# Altium PCB board.PcbDoc (part 1 of 4) (continued)
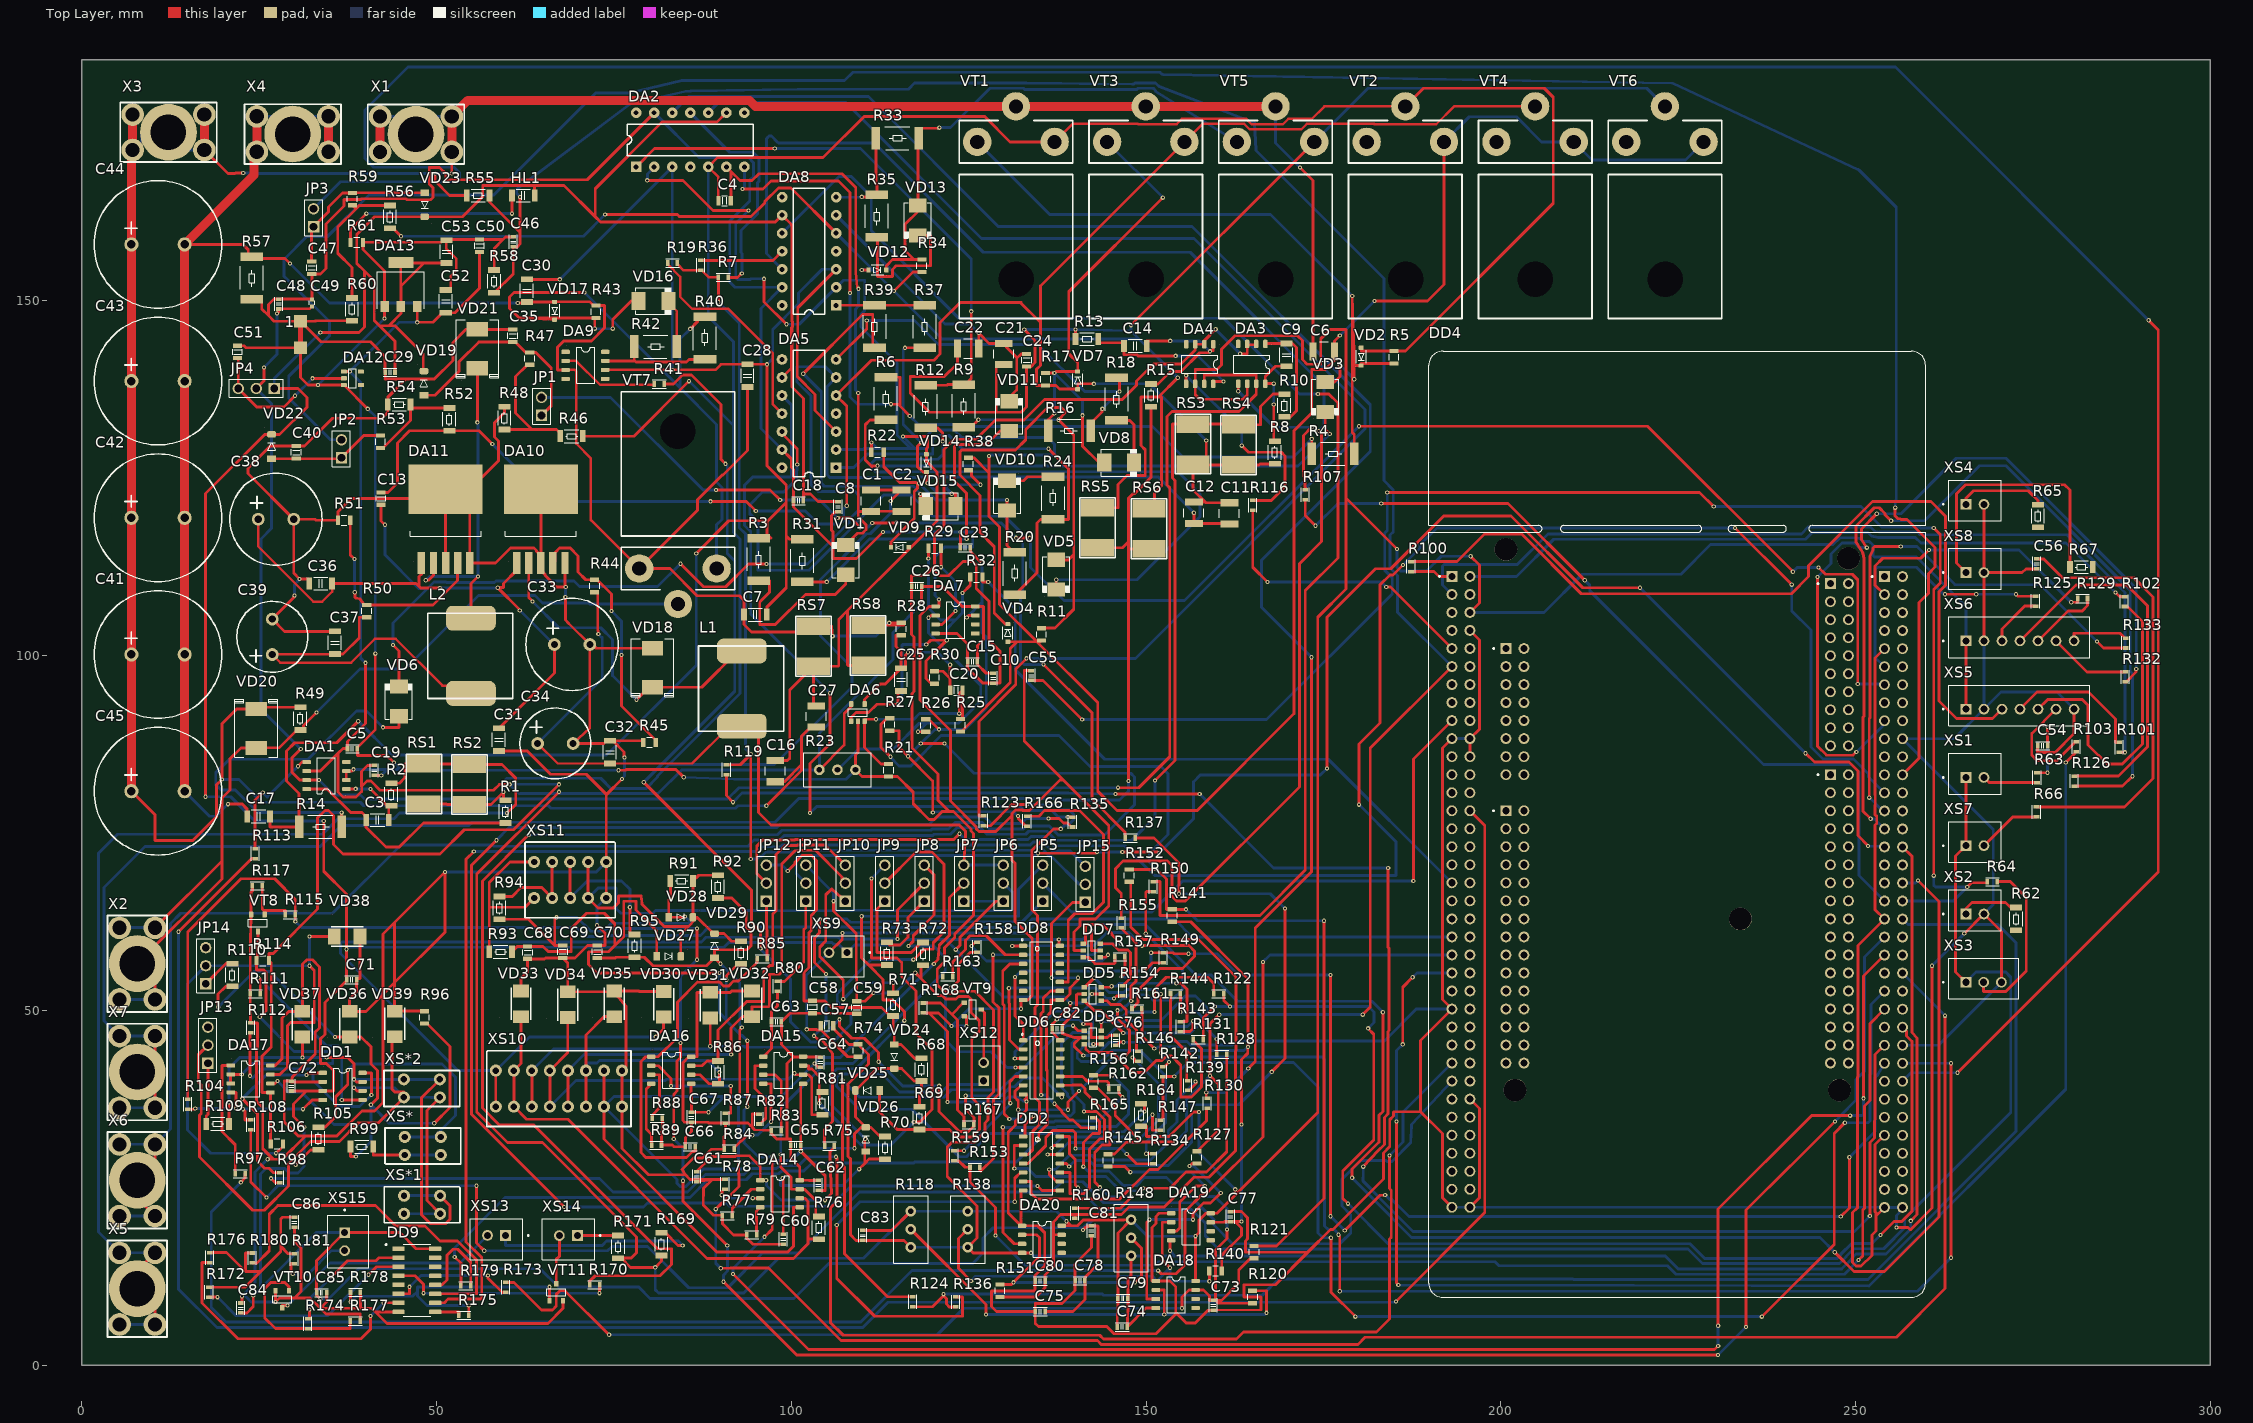
[diagram p0: Top Layer view]
## Components (designator, comment, footprint, x,y, rotation, side; value= is the part's Value field where it differs from the comment) (continued)
C64 "Capacitor" CC0603 104.075,42.725 r270 top value="0.1 мкФ"
C65 "Capacitor" CC0603 100.65,31.025 r0 top value="0.1 мкФ"
C66 "Capacitor" CC0603 85.8,30.8 r180 top value="10 пФ"
C67 "Capacitor" CC0603 85.95,34.95 r90 top value="0.1 мкФ"
C68 "Capacitor" CC0805 62.85,58.15 r90 top value="0.1 мкФ"
C69 "Capacitor" CC0805 67.8,58.275 r90 top value="0.1 мкФ"
C70 "Capacitor" CC0805 72.675,58.275 r270 top value="0.1 мкФ"
C71 "Capacitor" CC0603 38.05,54.325 r0 top value="0.1 мкФ"
C72 "Capacitor" CC0603 29.55,39.35 r270 top value="0.1 мкФ"
C73 "Capacitor" CC0603 159.5,8.45 r90 top value="0.1 мкФ"
C74 "Capacitor" CC0603 146.65,5.4 r0 top value="0.1 мкФ"
C75 "Capacitor" CC0603 135.1,7.575 r0 top value="0.1 мкФ"
C76 "Capacitor" CC0603 145.75,45.775 r90 top value="0.1 мкФ"
C77 "Capacitor" CC0603 161.9,20.95 r270 top value="0.1 мкФ"
C78 "Capacitor" CC0603 140.7,11.925 r0 top value="0.1 мкФ"
C79 "Capacitor" CC0603 146.75,9.45 r0 top value="0.1 мкФ"
C80 "Capacitor" CC0603 135.075,11.875 r0 top value="0.1 мкФ"
C81 "Capacitor" CC0603 142.3,18.95 r90 top value="0.1 мкФ"
C82 "Capacitor" CC0603 137.5,47.45 r180 top value="0.1 мкФ"
C83 "Capacitor" CC0603 110.1,18.3 r270 top value="0.1 мкФ"
C84 "Capacitor" CC0603 22.45,8.075 r270 top value="0.1 мкФ"
C85 "Capacitor" CC0603 33.825,10.2 r180 top value="0.1 мкФ"
C86 "Capacitor" CC0603 30,20.15 r90 top value="0.1 мкФ"
DA1 "AD8210YRZ" SO8 34.525,83.1 r180 top
DA2 "IR2113PFB" DIP14 78.16,168.88 r90 top
DA3 "AD8210YRZ" SO8 164.9,141.125 r270 top
DA4 "AD8210YRZ" SO8 157.565,141.081 r270 top
DA5 "IR2113PFB" DIP14 106.325,126.495 r180 top
DA6 "TS321AILT" SOT-23-5 109.4,91.975 r90 top
DA7 "LM211DT" SO8 123.15,105.025 r0 top
DA8 "IR2113PFB" DIP14 106.345,149.365 r180 top
DA9 "IR4427STRPBF" SO8 71,140.9 r0 top
DA10 "LM2596S-5.0" TO263-5L 64.725,119.25 r90 top
DA11 "LM2596HVS-12.0" TO263-5L 51.3,119.25 r90 top
DA12 "TPR3533-S3TR" SOT-23-5 38.175,139.075 r0 top
DA13 "LM1117GS-3.3" SOT-223 45,152.1 r0 top
DA14 "MAX485" SO8 98.425,24.175 r0 top
DA15 "MAX485" SO8 98.875,41.575 r0 top
DA16 "MAX485" SO8 83.1,41.575 r0 top
DA17 "MAX485" SO8 23.825,40.35 r0 top
DA18 "LM211DT" SO8 154.2,9.975 r0 top
DA19 "LM211DT" SO8 156.35,19.525 r0 top
DA20 "LM211DT" SO8 135.325,17.75 r0 top
DD1 "TPT1051V-SO1R" SO8 36.8,39.3 r0 top
DD2 "74HC08D" SO14 135.275,28.425 r0 top
DD3 "SN74LVC2G04DBVR" SOT-23-6 142.5,46.2 r0 top
DD4 "NUCLEO-F767ZI" ST_NUCLEO-F767ZI 224.855,76.235 r0 top
DD5 "SN74LVC2G04DBVR" SOT-23-6 142.5,52.325 r0 top
DD6 "74HC08D" SO14 135.3,41.975 r0 top
DD7 "SN74LVC2G04DBVR" SOT-23-6 142.35,58.45 r0 top
DD8 "74HCT32D" SO14 135.275,55.3 r0 top
DD9 "HEF4043BT" SO16 47.25,11.975 r0 top
HL1 "LED" CC1206#2 62.25,164.85 r0 top
JP1 "Jumper-2" PLS2 64.825,135.125 r90 top
JP2 "Jumper-2" PLS2 36.624,129.15 r90 top
JP3 "Jumper-2" PLS2 32.7,161.7 r90 top
JP4 "Jumper" PLS3 24.625,137.65 r180 top
JP5 "Jumper" PLS3 135.45,67.935 r90 top
JP6 "Jumper" PLS3 129.886,67.935 r90 top
JP7 "Jumper" PLS3 124.321,67.935 r90 top
JP8 "Jumper" PLS3 118.757,67.935 r90 top
JP9 "Jumper" PLS3 113.193,67.935 r90 top
JP10 "Jumper" PLS3 107.629,67.935 r90 top
JP11 "Jumper" PLS3 102.064,67.935 r90 top
JP12 "Jumper" PLS3 96.5,67.935 r90 top
JP13 "Jumper" PLS3 17.8,45.1 r90 top
JP14 "Jumper" PLS3 17.5,56.3 r90 top
JP15 "Jumper" PLS3 141.45,67.775 r90 top
L1 "CDRH127/LDNP-820MC" CDRH127/LDNP-820MC 93.05,95.35 r0 top value="84 мкГн"
L2 "CDRH127/LDNP-820MC" CDRH127/LDNP-820MC 54.875,99.975 r0 top value="84 мкГн"
R1 "Resistor" RC1206 59.75,78.025 r90 top value="10 Ом"
R2 "Resistor" RC1206 43.65,80.425 r90 top value="10 Ом"
R3 "Resistor" RC2512 95.425,113.575 r90 top value="100 Ом"
R4 "Resistor" RC2512 176.35,128.45 r180 top value="100 Ом"
R5 "Resistor" RC0805 184.95,142.05 r90 top value="10 кОм"
R6 "Resistor" RC2512 113.35,136.225 r90 top value="50 Ом"
R7 "Resistor" RC0603 90.45,153.3 r180 top value="100 Ом"
R8 "Resistor" RC1206 168.15,128.625 r270 top value="10 Ом"
R9 "Resistor" RC2512 124.325,135.2 r90 top value="100 Ом"
R10 "Resistor" RC1206 169.5,135.25 r90 top value="10 Ом"
R11 "Resistor" RC0805 135.275,103 r270 top value="10 кОм"
R12 "Resistor" RC2512 118.95,135.1 r90 top value="50 Ом"
R13 "Resistor" RC1206 141.675,144.625 r180 top value="10 Ом"
R14 "Resistor" RC2512 33.65,75.875 r180 top value="100 Ом"
R15 "Resistor" RC1206 150.725,136.675 r270 top value="10 Ом"
R16 "Resistor" RC2512 139.2,131.7 r0 top value="100 Ом"
R17 "Resistor" RC0805 135.85,138.95 r270 top value="10 кОм"
R18 "Resistor" RC2512 145.85,136.15 r90 top value="50 Ом"
R19 "Resistor" RC0603 83.275,155.325 r0 top value="100 Ом"
R20 "Resistor" RC2512 131.525,111.575 r270 top value="100 Ом"
R21 "Resistor" RC0805 113.725,83.85 r270 top value="10 кОм"
R22 "Resistor" RC0805 112.175,128.65 r180 top value="10 кОм"
R23 "pot" 3296W 106.515,83.9 r180 top
R24 "Resistor" RC2512 136.9,122.2 r270 top value="50 Ом"
R25 "Resistor" RC0805 123.85,90.2 r90 top value="1 кОм"
R26 "Resistor" RC0805 118.95,90.15 r90 top value="20 кОм"
R27 "Resistor" RC0805 113.875,90.3 r90 top value="500 Ом"
R28 "Resistor" RC0805 115.5,103.75 r270 top value="1 кОм"
R29 "Resistor" RC0805 120.225,115.125 r0 top value="500 Ом"
R30 "Resistor" RC0805 120.2,96.925 r270 top value="10 кОм"
R31 "Resistor" RC2512 101.575,113.4 r90 top value="100 Ом"
R32 "Resistor" RC0805 126.1,111.075 r0 top value="500 Ом"
R33 "Resistor" RC2512 114.95,172.925 r180 top value="100 Ом"
R34 "Resistor" RC0805 118.425,154.95 r270 top value="10 кОм"
R35 "Resistor" RC2512 112.075,161.925 r90 top value="100 Ом"
R36 "Resistor" RC0603 87.25,155 r270 top value="100 Ом"
R37 "Resistor" RC2512 118.825,146.375 r90 top value="100 Ом"
R38 "Resistor" RC0805 124.975,127 r90 top value="10 кОм"
R39 "Resistor" RC2512 111.75,146.375 r90 top value="100 Ом"
R40 "Resistor" RC2512 87.85,144.75 r270 top value="100 Ом"
R41 "Resistor" RC0603 81.425,138.275 r0 top value="100 Ом"
R42 "Resistor" RC2512 80.875,143.55 r180 top value="50 Ом"
R43 "Resistor" RC0805 72.5,148.45 r90 top value="10 кОм"
R44 "Resistor" RC0805 72.3,109.825 r90 top value="3 кОм"
R45 "Resistor" RC0805 80.025,87.775 r180 top value="1 кОм"
R46 "Resistor" RC1206 69.05,130.925 r180 top value="10 кОм"
R47 "Resistor" RC0805 63.15,141.85 r90 top value=1кОм
R48 "Resistor" RC1206 59.6,133.475 r90 top value=750Ом
R49 "Resistor" RC1206 30.825,91.125 r270 top value="20 кОм"
R50 "Resistor" RC0805 40.2,106.275 r90 top value="9 кОм"
R51 "Resistor" RC0805 37,119.075 r180 top value="1 кОм"
R52 "Resistor" RC1206 51.825,133.3 r90 top value="10 кОм"
R53 "Resistor" RC0805 42.124,130.15 r90 top value=1кОм
R54 "Resistor" RC1206 44.75,135.4 r180 top value=750Ом
R55 "Resistor" RC1206 55.9,164.85 r0 top value="140 кОм"
R56 "Resistor" RC1206 43.475,161.825 r90 top value="10 кОм"
R57 "Resistor" RC2512 24,153.225 r90 top value="100 Ом"
R58 "Resistor" RC1206 58.15,152.75 r90 top value="5 кОм"
R59 "Resistor" RC0805 38.175,164.325 r90 top value=1кОм
R60 "Resistor" RC1206 38.125,148.8 r270 top value=750Ом
R61 "Resistor" RC0805 38.775,158.225 r0 top value="1 кОм"
R62 "Resistor" RC1206 272.625,62.9 r90 top value="330 Ом"
R63 "Resistor" RC0603 275.55,82.8 r270 top value="1 кОм"
R64 "Resistor" RC0603 269.275,68.15 r0 top value="1 кОм"
R65 "Resistor" RC1206 275.7,119.675 r90 top value="330 Ом"
R66 "Resistor" RC0603 275.475,77.975 r270 top value="1 кОм"
R67 "Resistor" RC1206 281.8,112.475 r180 top value="330 Ом"
R68 "Resistor" RC1206 118.375,41.65 r270 top value="1 кОм"
R69 "Resistor" RC1206 118.075,34.825 r90 top value="1 кОм"
R70 "Resistor" RC1206 113.25,30.65 r90 top value="1 кОм"
R71 "Resistor" RC1206 114.375,50.825 r90 top value="1 кОм"
R72 "Resistor" RC1206 118.6,57.975 r90 top value="1 кОм"
R73 "Resistor" RC1206 113.5,58 r90 top value="1 кОм"
R74 "Resistor" RC0805 109.425,44.35 r90 top value="10 кОм"
R75 "Resistor" RC0603 105.4,30.9 r180 top value="1 кОм"
R76 "Resistor" RC1206 103.9,19.375 r270 top value="120 Ом"
R77 "Resistor" RC0603 91,21.05 r180 top value="1 кОм"
R78 "Resistor" RC0603 90.675,25.5 r90 top value="1 кОм"
R79 "Resistor" RC0603 94.425,18.375 r180 top value="1 кОм"
R80 "Resistor" RC0603 98.05,53.4 r90 top value="1 кОм"
R81 "Resistor" RC1206 104.4,36.9 r270 top value="120 Ом"
R82 "Resistor" RC0603 95.475,34.7 r90 top value="1 кОм"
R83 "Resistor" RC0603 97.9,33.05 r180 top value="1 кОм"
R84 "Resistor" RC0603 91.25,30.475 r180 top value="1 кОм"
R85 "Resistor" RC0603 95.9,57.3 r0 top value="1 кОм"
R86 "Resistor" RC1206 89.7,41.275 r270 top value="120 Ом"
R87 "Resistor" RC0603 90.725,34.825 r270 top value="1 кОм"
R88 "Resistor" RC0603 81.15,34.825 r0 top value="1 кОм"
R89 "Resistor" RC0603 81.025,31.025 r0 top value="1 кОм"
R90 "Resistor" RC1206 92.95,58.15 r90 top value="1 кОм"
R91 "Resistor" RC1206 84.575,68.25 r0 top value="1 кОм"
R92 "Resistor" RC1206 89.675,67.45 r90 top value="1 кОм"
R93 "Resistor" RC1206 59.05,58.275 r180 top value="1 кОм"
R94 "Resistor" RC1206 58.9,64.45 r90 top value="1 кОм"
R95 "Resistor" RC1206 77.95,59.1 r90 top value="1 кОм"
R96 "Resistor" RC0805 48.325,49.025 r270 top value="10 кОм"
R97 "Resistor" RC0603 22.35,27 r0 top value="100 Ом"
R98 "Resistor" RC0603 27.95,26.425 r270 top value="100 Ом"
R99 "Resistor" RC1206 39.5,30.8 r0 top value="3.3 Ом"
R100 "Resistor" RC0603 187.35,112.55 r270 top value="100 Ом"
R101 "Resistor" RC0603 287.15,87.075 r270 top value="100 Ом"
R102 "Resistor" RC0603 287.875,107.625 r90 top value="100 Ом"
R103 "Resistor" RC0603 281.1,87.15 r270 top value="100 Ом"
R104 "Resistor" RC0603 14.95,36.775 r90 top value="100 Ом"
R105 "Resistor" RC1206 33.375,31.95 r90 top value="3.3 Ом"
R106 "Resistor" RC0805 27.525,31.2 r180 top value="10 кОм"
R107 "Resistor" RC0603 172.45,122.65 r270 top value="1 кОм"
R108 "Resistor" RC0603 23.825,33.875 r270 top value="100 Ом"
R109 "Resistor" RC1206 19.175,34.025 r180 top value="120 Ом"
R110 "Resistor" RC1206 21.25,55 r90 top value="120 Ом"
R111 "Resistor" RC0603 24.475,52.375 r180 top value=NM
R112 "Resistor" RC0603 23.825,47.55 r90 top value="1 кОм"
R113 "Resistor" RC0603 24.475,72.1 r270 top value="1 кОм"
R114 "Resistor" RC0805 25.525,57.025 r180 top value="10 кОм"
R115 "Resistor" RC0603 29.425,63.475 r0 top value="100 Ом"
R116 "Resistor" RC0603 165.05,121.175 r270 top value="1 кОм"
R117 "Resistor" RC0603 24.775,67.575 r0 top value="4.7 кОм"
R118 "pot" 3296W 116.85,19.175 r90 top
R119 "Resistor" RC0603 90.875,83.925 r270 top value="100 Ом"
R120 "Resistor" RC0805 165.025,9.625 r270 top value="20 кОм"
R121 "Resistor" RC0805 165.225,15.95 r90 top value="500 Ом"
R122 "Resistor" RC0603 160.25,52.375 r0 top value="100 Ом"
R123 "Resistor" RC0603 127.1,76.725 r270 top value="100 Ом"
R124 "Resistor" RC0603 117.125,8.95 r270 top value="100 Ом"
R125 "Resistor" RC0603 275.35,107.675 r90 top value="100 Ом"
R126 "Resistor" RC0603 280.825,82.325 r270 top value="100 Ом"
R127 "Resistor" RC0805 157.175,29.3 r270 top value="500 Ом"
R128 "Resistor" RC0603 160.675,43.825 r180 top value="100 Ом"
R129 "Resistor" RC0603 281.975,108.05 r180 top value="100 Ом"
R130 "Resistor" RC0603 158.65,36.9 r270 top value="100 Ом"
R131 "Resistor" RC0603 157.375,45.9 r0 top value="100 Ом"
R132 "Resistor" RC0603 287.975,97 r270 top value="100 Ом"
R133 "Resistor" RC0603 288.05,101.775 r270 top value="100 Ом"
R134 "Resistor" RC0603 150.975,29.1 r90 top value="100 Ом"
R135 "Resistor" RC0603 139.65,76.55 r270 top value="100 Ом"
R136 "Resistor" RC0603 123.2,8.925 r270 top value="100 Ом"
R137 "Resistor" RC0603 147.775,74.3 r0 top value="100 Ом"
R138 "pot" 3296W 124.875,19.175 r90 top
R139 "Resistor" RC0603 155.9,39.425 r90 top value="100 Ом"
R140 "Resistor" RC0805 159.8,13.3 r0 top value="20 кОм"
R141 "Resistor" RC0805 153.7,63.375 r90 top value="500 Ом"
R142 "Resistor" RC0603 152.375,41.375 r270 top value="100 Ом"
R143 "Resistor" RC0603 154.825,47.725 r90 top value="100 Ом"
R144 "Resistor" RC0603 154.15,52.375 r180 top value="100 Ом"
R145 "Resistor" RC0805 144.65,28.875 r270 top value="500 Ом"
R146 "Resistor" RC0603 148.875,43.55 r90 top value="100 Ом"
R147 "Resistor" RC0603 152.025,33.825 r90 top value="100 Ом"
R148 "pot" 3296W 147.9,17.96 r90 top
R149 "Resistor" RC0603 152.425,57.425 r90 top value="100 Ом"
R150 "Resistor" RC0603 151.025,67.45 r270 top value="100 Ом"
R151 "Resistor" RC0805 129.425,10.5 r270 top value="20 кОм"
R152 "Resistor" RC0805 147.65,69 r90 top value="500 Ом"
R153 "Resistor" RC0603 125.9,27.9 r180 top value="100 Ом"
R154 "Resistor" RC0603 146.7,52.75 r90 top value="100 Ом"
R155 "Resistor" RC0603 146.5,62.325 r270 top value="100 Ом"
R156 "Resistor" RC0805 142.6,40 r90 top value="500 Ом"
R157 "Resistor" RC0603 146.325,57.55 r0 top value="100 Ом"
R158 "Resistor" RC0603 126.175,58.9 r90 top value="100 Ом"
R159 "Resistor" RC0603 122.95,29.525 r270 top value="100 Ом"
R160 "Resistor" RC0603 139.95,21.425 r270 top value="100 Ом"
R161 "Resistor" RC0603 148.725,50.25 r0 top value="100 Ом"
R162 "Resistor" RC0603 145.45,38.975 r0 top value="100 Ом"
R163 "Resistor" RC0603 122.075,54.775 r180 top value="100 Ом"
R164 "Resistor" RC1206 149.325,35.275 r90 top value="500 Ом"
R165 "Resistor" RC0603 142.475,34.175 r90 top value="100 Ом"
R166 "Resistor" RC0603 133.225,76.675 r270 top value="100 Ом"
R167 "Resistor" RC0603 125.05,33.875 r0 top value="100 Ом"
R168 "Resistor" RC0603 118.625,50.35 r90 top value="4.7 кОм"
R169 "Resistor" RC1206 81.725,17.075 r90 top value="500 Ом"
R170 "Resistor" RC0603 72.3,11.325 r180 top value="100 Ом"
R171 "Resistor" RC1206 75.625,16.7 r90 top value="500 Ом"
R172 "Resistor" RC0603 17.95,10.3 r90 top value="100 Ом"
R173 "Resistor" RC0603 59.8,10.975 r90 top value="100 Ом"
R174 "Resistor" RC0603 31.9,5.875 r90 top value="100 Ом"
R175 "Resistor" RC0603 53.875,7.05 r180 top value="100 Ом"
R176 "Resistor" RC0603 18.075,15.175 r90 top value="100 Ом"
R177 "Resistor" RC0603 38.575,6.25 r180 top value="4.7 кОм"
R178 "Resistor" RC0603 38.6,10.275 r180 top value="4.7 кОм"
R179 "Resistor" RC0603 54.15,11.225 r180 top value="100 Ом"
R180 "Resistor" RC0603 24.075,15.125 r90 top value="100 Ом"
R181 "Resistor" RC0603 29.975,15.025 r270 top value="1 кОм"
RS1 "Resistor" RC2816 48.225,81.925 r90 top value="10 мОм"
RS2 "Resistor" RC2816 54.65,81.85 r90 top value="10 мОм"
RS3 "Resistor" RC2816 156.625,129.8 r90 top value="10 мОм"
RS4 "Resistor" RC2816 163.05,129.7 r90 top value="10 мОм"
RS5 "Resistor" RC2816 143.15,118.025 r270 top value="10 мОм"
RS6 "Resistor" RC2816 150.425,117.875 r270 top value="10 мОм"
RS7 "Resistor" RC2816 103.125,101.325 r90 top value="10 мОм"
RS8 "Resistor" RC2816 110.85,101.45 r90 top value="10 мОм"
VD1 "MBRS1100" DO-214AA 107.7,113.5 r270 top
VD2 "BZX384-C18" SOD323 180.325,142.125 r90 top
VD3 "MBRS1100" DO-214AA 175.25,136.45 r90 top
VD4 "BZX384-C18" SOD323 130.525,103.2 r270 top
VD5 "MBRS1100" DO-214AA 137.35,111.4 r90 top
VD6 "MBRS1100" DO-214AA 44.725,93.55 r270 top
VD7 "BZX384-C18" SOD323 140.375,138.8 r270 top
VD8 "MBRS1100" DO-214AA 146.225,127.2 r180 top
VD9 "BZX384-C18" SOD323 115.325,115.275 r0 top
VD10 "MBRS1100" DO-214AA 130.425,122.55 r270 top
VD11 "MBRS1100" DO-214AA 130.725,133.75 r270 top
VD12 "BZX384-C18" SOD323 112.15,154.35 r180 top
VD13 "MBRS1100" DO-214AA 117.85,161.325 r90 top
VD14 "BZX384-C18" SOD323 119.05,127.125 r90 top
VD15 "MBRS1100" DO-214AA 121.075,121.075 r0 top
VD16 "MBRS1100" DO-214AA 80.6,149.975 r180 top
VD17 "BZX384-C18" SOD323 66.675,148.6 r90 top
VD18 "SS510" DO214AB 80.45,98.3 r90 top
VD19 "MBR0540L" SOD123 48.25,138.4 r90 top
VD20 "SS510" DO214AB 24.625,89.75 r270 top
VD21 "SS510" DO214AB 55.775,143.25 r90 top
VD22 "MBR0540L" SOD123 26.775,129.475 r90 top
VD23 "MBR0540L" SOD123 48.35,163.55 r270 top
VD24 "MBR0540L" SOD123 114.525,43.5 r270 top
VD25 "MBR0540L" SOD123 110.75,38.725 r180 top
VD26 "MBR0540L" SOD123 110.525,31.825 r90 top
VD27 "MBR0540L" SOD123 82.75,57.625 r0 top
VD28 "MBR0540L" SOD123 84.45,63.125 r0 top
VD29 "MBR0540L" SOD123 89.2,59.125 r90 top
VD30 "SMF5.0A" D0-124AC 82.025,50.875 r90 top
VD31 "SMF5.0A" D0-124AC 88.6,50.75 r90 top
VD32 "SMF5.0A" D0-124AC 94.475,50.925 r90 top
VD33 "SMF5.0A" D0-124AC 61.925,50.925 r90 top
VD34 "SMF5.0A" D0-124AC 68.525,50.825 r90 top
VD35 "SMF5.0A" D0-124AC 75.05,50.925 r90 top
VD36 "SMF5.0A" D0-124AC 37.775,48.075 r90 top
VD37 "SMF5.0A" D0-124AC 31.125,48.075 r90 top
VD38 "SMF5.0A" D0-124AC 37.425,60.425 r0 top
VD39 "SMF5.0A" D0-124AC 44.125,48.1 r90 top
VT1 "IRF4227PFB" TO247-1 131.675,172.4 r180 top
VT2 "IRF4227PFB" TO247-1 186.545,172.4 r180 top
VT3 "IRF4227PFB" TO247-1 149.965,172.4 r180 top
VT4 "IRF4227PFB" TO247-1 204.835,172.4 r180 top
VT5 "IRF4227PFB" TO247-1 168.255,172.4 r180 top
VT6 "IRF4227PFB" TO247-1 223.125,172.4 r180 top
VT7 "IRFP4227PFB" TO247-1 84.05,112.275 r0 top
VT8 "IRLML2803TR" SOT-23-3 24.85,62.325 r90 top
VT9 "IRLML2803TR" SOT-23-3 125.6,50.15 r180 top
VT10 "IRLML2803TR" SOT-23-3 28.275,9.3 r90 top
VT11 "IRLML2803TR" SOT-23-3 66.9,10.275 r270 top
X1 "Connector-1" PCBM4 47.125,173.475 r0 top
X2 "Connector-1" PCBM4 7.85,56.6 r270 top
X3 "Connector-1" PCBM4 12.25,173.75 r0 top
X4 "Connector-1" PCBM4 29.75,173.5 r0 top
X5 "Connector-1" PCBM4 7.85,10.8 r90 top
X6 "Connector-1" PCBM4 7.85,26.067 r90 top
X7 "Connector-1" PCBM4 7.85,41.333 r90 top
XS1 "JST-Male-2" JST-2 265.54,82.839 r0 top
XS2 "JST-Male-2" JST-2 265.54,63.596 r0 top
XS3 "JST-Male-3" JST-3 265.54,53.975 r0 top
XS4 "JST-Male-2" JST-2 265.54,121.325 r0 top
XS5 "JST-Male-7" JST-7 265.54,92.461 r0 top
XS6 "JST-Male-7" JST-7 265.54,102.082 r0 top
XS7 "JST-Male-2" JST-2 265.54,73.218 r0 top
XS8 "JST-Male-2" JST-2 265.54,111.704 r0 top
XS9 "JST-Male-2" JST-2 107.865,58.15 r180 top
XS10 "DG141V-2.54-05P-14-00AH" DG141V-2.54-08P 58.38,38.99 r0 top
XS11 "DG141V-2.54-05P-14-00AH" DG141V-2.54-05P 63.77,68.385 r0 top
XS12 "JST-Male-2" JST-2 127.125,40.1 r90 top
XS13 "JST-Male-2" JST-2 59.75,18.3 r180 top
XS14 "JST-Male-2" JST-2 69.875,18.275 r180 top
XS15 "JST-Male-2" JST-2 37.075,18.69 r270 top
XS* "DG141V-2.54-02P-14-00AH" DG141V-2.54-02P 48.09,29.635 r90 top
XS*1 "DG141V-2.54-02P-14-00AH" DG141V-2.54-02P 47.985,23.89 r270 top
XS*2 "DG141V-2.54-02P-14-00AH" DG141V-2.54-02P 47.96,40.29 r270 top

## Footprints (in the part's own frame and the unit in brackets; to place one, negate y for a bottom-side part, rotate by r counter-clockwise, add the part's x,y. Pads: shape width x height; smd on the part's side, far side on the other; paste and mask are expansions set on the pad)
3296W [mm]
  round 1.5 hole 0.8: 1(2.54,0) 2(0,0) 3(-2.54,0)
  silkscreen extent -4.77,-2.45 4.73,2.38, body extent -4.77,-2.43 4.76,2.4, height 11.52
CAP-5-10 [mm]
  round 1.8 hole 1 unplated: 1(-2.5,0) 2(2.5,0)
  silkscreen extent -5,-5 5,5
CAP-5-12.5 [mm]
  round 1.8 hole 1 unplated: 1(-2.5,0) 2(2.5,0)
  silkscreen extent -6.5,-6.5 6.5,6.5
CAP-7.5-18 [mm]
  round 2 hole 1.2 unplated: 1(-3.75,-0.1) 2(3.75,-0.1)
  silkscreen extent -9,-9.1 9,8.9
CC0402 [mm]
  rect 0.6x0.6 smd: 1(-0.5,0) 2(0.5,0)
  silkscreen extent -0.28,-0.4 0.27,0.4, body extent -0.5,-0.26 0.5,0.27, height 0.36
CC0603 [mm]
  rect 0.5x0.8 smd: 1(-0.7,0) 2(0.7,0)
  silkscreen extent -0.97,-0.57 0.97,0.58, body extent -0.8,-0.4 0.8,0.4, height 0.5
CC0805 [mm]
  rect 0.6x1.3 smd: 1(-0.875,0) 2(0.875,0)
  silkscreen extent -0.4,-0.7 0.4,0.7, body extent -1,-0.6 1,0.6, height 0.8
CC1206#1 [mm]
  rect 0.8x1.7 smd: 1(-1.6,0) 2(1.6,0)
  silkscreen extent -1,-0.9 1,0.9, body extent -1.7,-0.8 1.7,0.8, height 0.8
CC1206#2 [mm]
  rect 0.8x1.7 smd: A(1.6,0) C(-1.6,0)
  silkscreen extent -1,-0.9 1,0.9, body extent -1.7,-0.8 1.7,0.8, height 0.8
CC1210 [mm]
  rect 1x2.5 smd: 1(1.5,0) 2(-1.5,0)
  silkscreen extent -0.6,-1.4 0.6,1.4, body extent -2,-1.3 2,1.3, height 1.6
CDRH127/LDNP-820MC [mm]
  rrect50% 7x3.5 smd: 1(0,5.3) 2(0,-5.3)
  silkscreen extent -6.1,-6 5.9,6
D0-124AC [mm]
  rect 1.8x2.2 smd: A(1.8,0) C(-1.8,0)
  silkscreen extent -2.25,-1.4 2.25,1.4, body extent -2.47,-1.4 2.47,1.4, height 2.4
DG141V-2.54-02P [mm]
  round 1.7 hole 0.9: 1(0,2.54) 1(0,-2.54) 2(2.54,-2.54) 2(2.54,2.54)
  silkscreen extent -1.27,-5.33 3.81,5.34
DG141V-2.54-05P [mm]
  round 1.7 hole 0.9: 1(0,-2.54) 1(0,2.54) 2(2.54,-2.54) 2(2.54,2.54) 3(5.08,-2.54) 3(5.08,2.54) 4(7.62,-2.54) 4(7.62,2.54) 5(10.16,-2.54) 5(10.16,2.54)
  silkscreen extent -1.27,-5.33 11.43,5.34
DG141V-2.54-08P [mm]
  round 1.7 hole 0.9: 1(0,-2.54) 1(0,2.54) 2(2.54,-2.54) 2(2.54,2.54) 3(5.08,-2.54) 3(5.08,2.54) 4(7.62,-2.54) 4(7.62,2.54) 5(10.16,-2.54) 5(10.16,2.54) 6(12.7,-2.54) 6(12.7,2.54) 7(15.24,-2.54) 7(15.24,2.54) 8(17.78,-2.54) 8(17.78,2.54)
  silkscreen extent -1.27,-5.33 19.05,5.34
DIP14 [mm]
  rect 1.5x1.5 hole 0.7: 1(0,0)
  round 1.5 hole 0.7: 2(0,-2.54) 3(0,-5.08) 4(0,-7.62) 5(0,-10.16) 6(0,-12.7) 7(0,-15.24) 8(7.62,-15.24) 9(7.62,-12.7) 10(7.62,-10.16) 11(7.62,-7.62) 12(7.62,-5.08) 13(7.62,-2.54) 14(7.62,0)
  silkscreen extent 1.59,-16.51 6.04,1.27
DO214AB [mm]
  rect 2x3 smd: A(2.75,0) C(-2.75,0)
  silkscreen extent -4.1,-3.02 4.1,3, body extent -3.9,-2.9 4.05,3, height 2.3
DO-214AA [mm]
  rect 2x2.5 smd: A(2.1,0) C(-2.1,0)
  silkscreen extent -2.5,-1.9 2.5,1.9, body extent -2.97,-1.8 2.97,1.8, height 2.3
JST-2 [mm]
  rect 1.508x1.508 / inner round 1.508 / far side rect 1.508x1.508 hole 1: 1(0,0)
  round 1.508 hole 1: 2(2.54,0)
  silkscreen extent -3.3,-2.35 4.95,3.4, body extent -2.45,-2.35 4.95,3.4, height 7
JST-3 [mm]
  rect 1.508x1.508 / inner round 1.508 / far side rect 1.508x1.508 hole 1: 1(0,0)
  round 1.508 hole 1: 2(2.5,0) 3(5,0)
  silkscreen extent -3.3,-2.35 7.45,3.4, body extent -2.45,-2.35 7.45,3.4, height 7
JST-7 [mm]
  rect 1.508x1.508 / inner round 1.508 / far side rect 1.508x1.508 hole 1: 1(0,0)
  round 1.508 hole 1: 2(2.54,0) 3(5.08,0) 4(7.62,0) 5(10.16,0) 6(12.7,0) 7(15.24,0)
  silkscreen extent -3.3,-2.35 17.45,3.4, body extent -2.45,-2.35 17.45,3.4, height 7
"Net Tie" [mm]
  rect 1.8x1.8 smd: 1(0,0) 2(3.75,0)
  Top Layer lines w0.7: 0,0 3.75,0
PCBM4 [mm]
  round 3.2 hole 2: 1(-5.05,-2.5) 1(-5.05,2.5) 1(5.05,-2.5) 1(5.05,2.5)
  round 8 hole 5: 1(0,0)
  silkscreen extent -6.8,-4.2 6.8,4.2
PLS2 [mm]
  rect 1.6x1.6 hole 1.1: 1(-1.27,0)
  round 1.6 hole 1.1: 2(1.27,0)
  silkscreen extent -2.54,-1.27 2.54,1.27, body extent -2.54,-1.27 2.54,1.27, height 8.5
PLS3 [mm]
  rect 1.6x1.6 hole 1.1: 1(-2.54,0)
  round 1.6 hole 1.1: 2(0,0) 3(2.54,0)
  silkscreen extent -3.81,-1.27 3.81,1.27, body extent -3.81,-1.27 3.81,1.27, height 8.5
RC0603 [mm]
  rect 0.5x0.8 smd: 1(-0.7,0) 2(0.7,0)
  silkscreen extent -0.98,-0.58 0.97,0.57, body extent -0.7,-0.41 0.7,0.41, height 0.45
RC0805 [mm]
  rect 0.6x1.3 smd: 1(-0.875,0) 2(0.875,0)
  silkscreen extent -0.4,-0.7 0.4,0.7, body extent -1,-0.6 1,0.6, height 0.5
RC1206 [mm]
  rect 0.8x1.7 smd: 1(-1.6,0) 2(1.6,0)
  silkscreen extent -1,-0.9 1,0.9, body extent -1.7,-0.8 1.7,0.8, height 0.8
RC2512 [mm]
  rect 1.2x3.2 smd: 1(-3,0) 2(3,0)
  silkscreen extent -1.72,-1.62 1.75,1.62, body extent -3.2,-1.6 3.2,1.6, height 0.55
RC2816 [mm]
  rect 2.45x4.7 smd: 1(-2.825,0) 2(2.825,0)
  silkscreen extent -4.2,-2.5 4.2,2.5
SO8 [mm]
  rrect50% 1.2x0.6 smd: 1(-2.794,1.905) 2(-2.794,0.635) 3(-2.794,-0.635) 4(-2.794,-1.905) 5(2.794,-1.905) 6(2.794,-0.635) 7(2.794,0.635) 8(2.794,1.905)
  silkscreen extent -1.23,-2.55 1.31,2.53, body extent -3.07,-2.44 3.07,2.45, height 1.76
SO14 [mm]
  rrect50% 1.2x0.6 smd: 1(-2.6,3.81) 2(-2.6,2.54) 3(-2.6,1.27) 4(-2.6,0) 5(-2.6,-1.27) 6(-2.6,-2.54) 7(-2.6,-3.81) 8(2.6,-3.81) 9(2.6,-2.54) 10(2.6,-1.27) 11(2.6,0) 12(2.6,1.27) 13(2.6,2.54) 14(2.6,3.81)
  silkscreen extent -2.85,-4.4 1.6,4.78, body extent -3,-4.4 3,4.4, height 1.75
SO16 [mm]
  rrect25% 1.75x0.59 smd: 1(-2.585,4.445) 2(-2.585,3.175) 3(-2.585,1.905) 4(-2.585,0.635) 5(-2.585,-0.635) 6(-2.585,-1.905) 7(-2.585,-3.175) 8(-2.585,-4.445) 9(2.585,-4.445) 10(2.585,-3.175) 11(2.585,-1.905) 12(2.585,-0.635) 13(2.585,0.635) 14(2.585,1.905) 15(2.585,3.175) 16(2.585,4.445)
  silkscreen extent -4.43,-5.06 1.95,5.13, body extent -3,-4.95 3,4.95, height 1.75
SOD123 [mm]
  rect 0.91x1.22 smd: A(-1.7,0)
  rrect50% 0.91x1.22 smd: C(1.7,0)
  silkscreen extent -0.5,-0.5 0.5,0.5, body extent -1.93,-0.9 1.93,0.9, height 1.22
SOD323 [mm]
  rrect25% 0.6x0.7 smd: A(1.25,0) C(-1.25,0)
  silkscreen extent -0.9,-0.7 0.9,0.7, body extent -1.3,-0.68 1.3,0.68, height 1.1
SOT-23-3 [mm]
  rrect25% 0.8x0.6 smd: 1(1.2,-0.95) 2(1.2,0.95) 3(-1.2,0)
  silkscreen extent -0.51,-1.35 0.51,1.35, body extent -1.4,-1.45 1.4,1.45, height 1.44
SOT-23-5 [mm]
  rrect25% 0.8x0.6 smd: 1(-1.2,0.95) 2(-1.2,0) 3(-1.2,-0.95) 4(1.2,-0.95) 5(1.2,0.95)
  silkscreen extent -0.51,-1.35 0.51,1.35, body extent -1.4,-1.45 1.4,1.45, height 1.44
SOT-23-6 [mm]
  rrect25% 0.8x0.6 smd: 1(-1.2,0.95) 2(-1.2,0) 3(-1.2,-0.95) 4(1.2,-0.95) 5(1.2,0) 6(1.2,0.95)
  silkscreen extent -0.51,-1.35 0.51,1.35, body extent -1.4,-1.45 1.4,1.45, height 1.44
SOT-223 [mm]
  rect 1.2x1.5 smd: 1(-2.3,-2.9) 2(0,-2.9) 3(2.3,-2.9)
  rect 3.5x1.5 smd: 2(0,3.3)
  silkscreen extent -3.3,-3.2 3.3,2, body extent -3.25,-3.4 3.25,3.6, height 1.64
ST_NUCLEO-F767ZI [mm]
  rect 1.53x1.53 / inner round 1.53 / far side rect 1.53x1.53 hole 1.02: CN7_1(21.59,33.914) CN8_1(-24.13,24.77) CN9_1(-24.13,1.91) CN10_1(21.59,6.99) CN11_1(-31.75,34.93) CN12_1(29.21,34.91)
  round 1.53 hole 1.02: CN7_2(24.13,33.914) CN7_3(21.59,31.374) CN7_4(24.13,31.374) CN7_5(21.59,28.834) CN7_6(24.13,28.834) CN7_7(21.59,26.294) CN7_8(24.13,26.294) CN7_9(21.59,23.754) CN7_10(24.13,23.754) CN7_11(21.59,21.214) CN7_12(24.13,21.214) CN7_13(21.59,18.674) CN7_14(24.13,18.674) CN7_15(21.59,16.134) CN7_16(24.13,16.134) CN7_17(21.59,13.594) CN7_18(24.13,13.594) CN7_19(21.59,11.054) CN7_20(24.13,11.054) CN8_2(-21.59,24.77) CN8_3(-24.13,22.23) CN8_4(-21.59,22.23) CN8_5(-24.13,19.69) CN8_6(-21.59,19.69) CN8_7(-24.13,17.15) CN8_8(-21.59,17.15) CN8_9(-24.13,14.61) CN8_10(-21.59,14.61) CN8_11(-24.13,12.07) CN8_12(-21.59,12.07) CN8_13(-24.13,9.53) CN8_14(-21.59,9.53) CN8_15(-24.13,6.99) CN8_16(-21.59,6.99) CN9_2(-21.59,1.91) CN9_3(-24.13,-0.63) CN9_4(-21.59,-0.63) CN9_5(-24.13,-3.17) CN9_6(-21.59,-3.17) CN9_7(-24.13,-5.71) CN9_8(-21.59,-5.71) CN9_9(-24.13,-8.25) CN9_10(-21.59,-8.25) CN9_11(-24.13,-10.79) CN9_12(-21.59,-10.79) CN9_13(-24.13,-13.33) CN9_14(-21.59,-13.33) CN9_15(-24.13,-15.87) CN9_16(-21.59,-15.87) CN9_17(-24.13,-18.41) CN9_18(-21.59,-18.41) CN9_19(-24.13,-20.95) CN9_20(-21.59,-20.95) CN9_21(-24.13,-23.49) CN9_22(-21.59,-23.49) CN9_23(-24.13,-26.03) CN9_24(-21.59,-26.03) CN9_25(-24.13,-28.57) CN9_26(-21.59,-28.57) CN9_27(-24.13,-31.11) CN9_28(-21.59,-31.11) CN9_29(-24.13,-33.65) CN9_30(-21.59,-33.65) CN10_2(24.13,6.99) CN10_3(21.59,4.45) CN10_4(24.13,4.45) CN10_5(21.59,1.91) CN10_6(24.13,1.91) CN10_7(21.59,-0.63) CN10_8(24.13,-0.63) CN10_9(21.59,-3.17) CN10_10(24.13,-3.17) CN10_11(21.59,-5.71) CN10_12(24.13,-5.71) CN10_13(21.59,-8.25) CN10_14(24.13,-8.25) CN10_15(21.59,-10.79) CN10_16(24.13,-10.79) CN10_17(21.59,-13.33) CN10_18(24.13,-13.33) CN10_19(21.59,-15.87) CN10_20(24.13,-15.87) CN10_21(21.59,-18.41) CN10_22(24.13,-18.41) CN10_23(21.59,-20.95) CN10_24(24.13,-20.95) CN10_25(21.59,-23.49) CN10_26(24.13,-23.49) CN10_27(21.59,-26.03) CN10_28(24.13,-26.03) CN10_29(21.59,-28.57) CN10_30(24.13,-28.57) CN10_31(21.59,-31.11) CN10_32(24.13,-31.11) CN10_33(21.59,-33.65) CN10_34(24.13,-33.65) CN11_2(-29.21,34.93) CN11_3(-31.75,32.39) CN11_4(-29.21,32.39) CN11_5(-31.75,29.85) CN11_6(-29.21,29.85) CN11_7(-31.75,27.31) CN11_8(-29.21,27.31) CN11_9(-31.75,24.77) CN11_10(-29.21,24.77) CN11_11(-31.75,22.23) CN11_12(-29.21,22.23) CN11_13(-31.75,19.69) CN11_14(-29.21,19.69) CN11_15(-31.75,17.15) CN11_16(-29.21,17.15) CN11_17(-31.75,14.61) CN11_18(-29.21,14.61) CN11_19(-31.75,12.07) CN11_20(-29.21,12.07) CN11_21(-31.75,9.53) CN11_22(-29.21,9.53) CN11_23(-31.75,6.99) CN11_24(-29.21,6.99) CN11_25(-31.75,4.45) CN11_26(-29.21,4.45) CN11_27(-31.75,1.91) CN11_28(-29.21,1.91) CN11_29(-31.75,-0.63) CN11_30(-29.21,-0.63) CN11_31(-31.75,-3.17) CN11_32(-29.21,-3.17) CN11_33(-31.75,-5.71) CN11_34(-29.21,-5.71) CN11_35(-31.75,-8.25) CN11_36(-29.21,-8.25) CN11_37(-31.75,-10.79) CN11_38(-29.21,-10.79) CN11_39(-31.75,-13.33) CN11_40(-29.21,-13.33) CN11_41(-31.75,-15.87) CN11_42(-29.21,-15.87) CN11_43(-31.75,-18.41) CN11_44(-29.21,-18.41) CN11_45(-31.75,-20.95) CN11_46(-29.21,-20.95) CN11_47(-31.75,-23.49) CN11_48(-29.21,-23.49) CN11_49(-31.75,-26.03) CN11_50(-29.21,-26.03) CN11_51(-31.75,-28.57) CN11_52(-29.21,-28.57) CN11_53(-31.75,-31.11) CN11_54(-29.21,-31.11) CN11_55(-31.75,-33.65) CN11_56(-29.21,-33.65) CN11_57(-31.75,-36.19) CN11_58(-29.21,-36.19) CN11_59(-31.75,-38.73) CN11_60(-29.21,-38.73) CN11_61(-31.75,-41.27) CN11_62(-29.21,-41.27) CN11_63(-31.75,-43.81) CN11_64(-29.21,-43.81) CN11_65(-31.75,-46.35) CN11_66(-29.21,-46.35) CN11_67(-31.75,-48.89) CN11_68(-29.21,-48.89) CN11_69(-31.75,-51.43) CN11_70(-29.21,-51.43) CN11_71(-31.75,-53.97) CN11_72(-29.21,-53.97) CN12_2(31.75,34.91) CN12_3(29.21,32.37) CN12_4(31.75,32.37) CN12_5(29.21,29.83) CN12_6(31.75,29.83) CN12_7(29.21,27.29) CN12_8(31.75,27.29) CN12_9(29.21,24.75) CN12_10(31.75,24.75) CN12_11(29.21,22.21) CN12_12(31.75,22.21) CN12_13(29.21,19.67) CN12_14(31.75,19.67) CN12_15(29.21,17.13) CN12_16(31.75,17.13) CN12_17(29.21,14.59) CN12_18(31.75,14.59) CN12_19(29.21,12.05) CN12_20(31.75,12.05) CN12_21(29.21,9.51) CN12_22(31.75,9.51) CN12_23(29.21,6.97) CN12_24(31.75,6.97) CN12_25(29.21,4.43) CN12_26(31.75,4.43) CN12_27(29.21,1.89) CN12_28(31.75,1.89) CN12_29(29.21,-0.65) CN12_30(31.75,-0.65) CN12_31(29.21,-3.19) CN12_32(31.75,-3.19) CN12_33(29.21,-5.73) CN12_34(31.75,-5.73) CN12_35(29.21,-8.27) CN12_36(31.75,-8.27) CN12_37(29.21,-10.81) CN12_38(31.75,-10.81) CN12_39(29.21,-13.35) CN12_40(31.75,-13.35) CN12_41(29.21,-15.89) CN12_42(31.75,-15.89) CN12_43(29.21,-18.43) CN12_44(31.75,-18.43) CN12_45(29.21,-20.97) CN12_46(31.75,-20.97) CN12_47(29.21,-23.51) CN12_48(31.75,-23.51) CN12_49(29.21,-26.05) CN12_50(31.75,-26.05) CN12_51(29.21,-28.59) CN12_52(31.75,-28.59) CN12_53(29.21,-31.13) CN12_54(31.75,-31.13) CN12_55(29.21,-33.67) CN12_56(31.75,-33.67) CN12_57(29.21,-36.21) CN12_58(31.75,-36.21) CN12_59(29.21,-38.75) CN12_60(31.75,-38.75) CN12_61(29.21,-41.29) CN12_62(31.75,-41.29) CN12_63(29.21,-43.83) CN12_64(31.75,-43.83) CN12_65(29.21,-46.37) CN12_66(31.75,-46.37) CN12_67(29.21,-48.91) CN12_68(31.75,-48.91) CN12_69(29.21,-51.45) CN12_70(31.75,-51.45) CN12_71(29.21,-53.99) CN12_72(31.75,-53.99)
  round 3.2 hole 3.2 unplated: ""(-24.13,38.74) ""(-22.86,-37.46) ""(8.89,-13.33) ""(22.86,-37.46) ""(24.13,37.47)
  silkscreen extent -35,-66.67 35,66.67, body extent -35,-69.27 35,67.72, height 12.28
TO247-1 [mm]
  round 4 hole 5 unplated: 4(-0.05,19.35)
  round 4 hole 2: D(0,-5) G(5.45,0) S(-5.45,0)
  silkscreen extent -8,-3 8,24.9, body extent -7.5,-5.2 7.5,3, height 26.15
TO263-5L [mm]
  rect 3.1x1.05 smd: 1(-6.2,3.4) 2(-6.2,1.7) 3(-6.2,0) 4(-6.2,-1.7) 5(-6.2,-3.4)
  rect 7x10.4 smd: 3(4.2,0)
  silkscreen extent -2.45,-5 -1.75,5, body extent -6.67,-5.05 7.68,5.05, height 4.6